# Altium PCB UD3.1.PcbDoc (part 2 of 2)
Units mm, origin at the board's own origin, x right, y up, seen from the top; angles counter-clockwise.
Board outline 100 x 76.2 mm, 4 copper layers (Top Layer, Layer 1, Layer 2, Bottom Layer), stack 0.603 mm thick; 321 components, 189 nets, 880 pads, 378 vias.
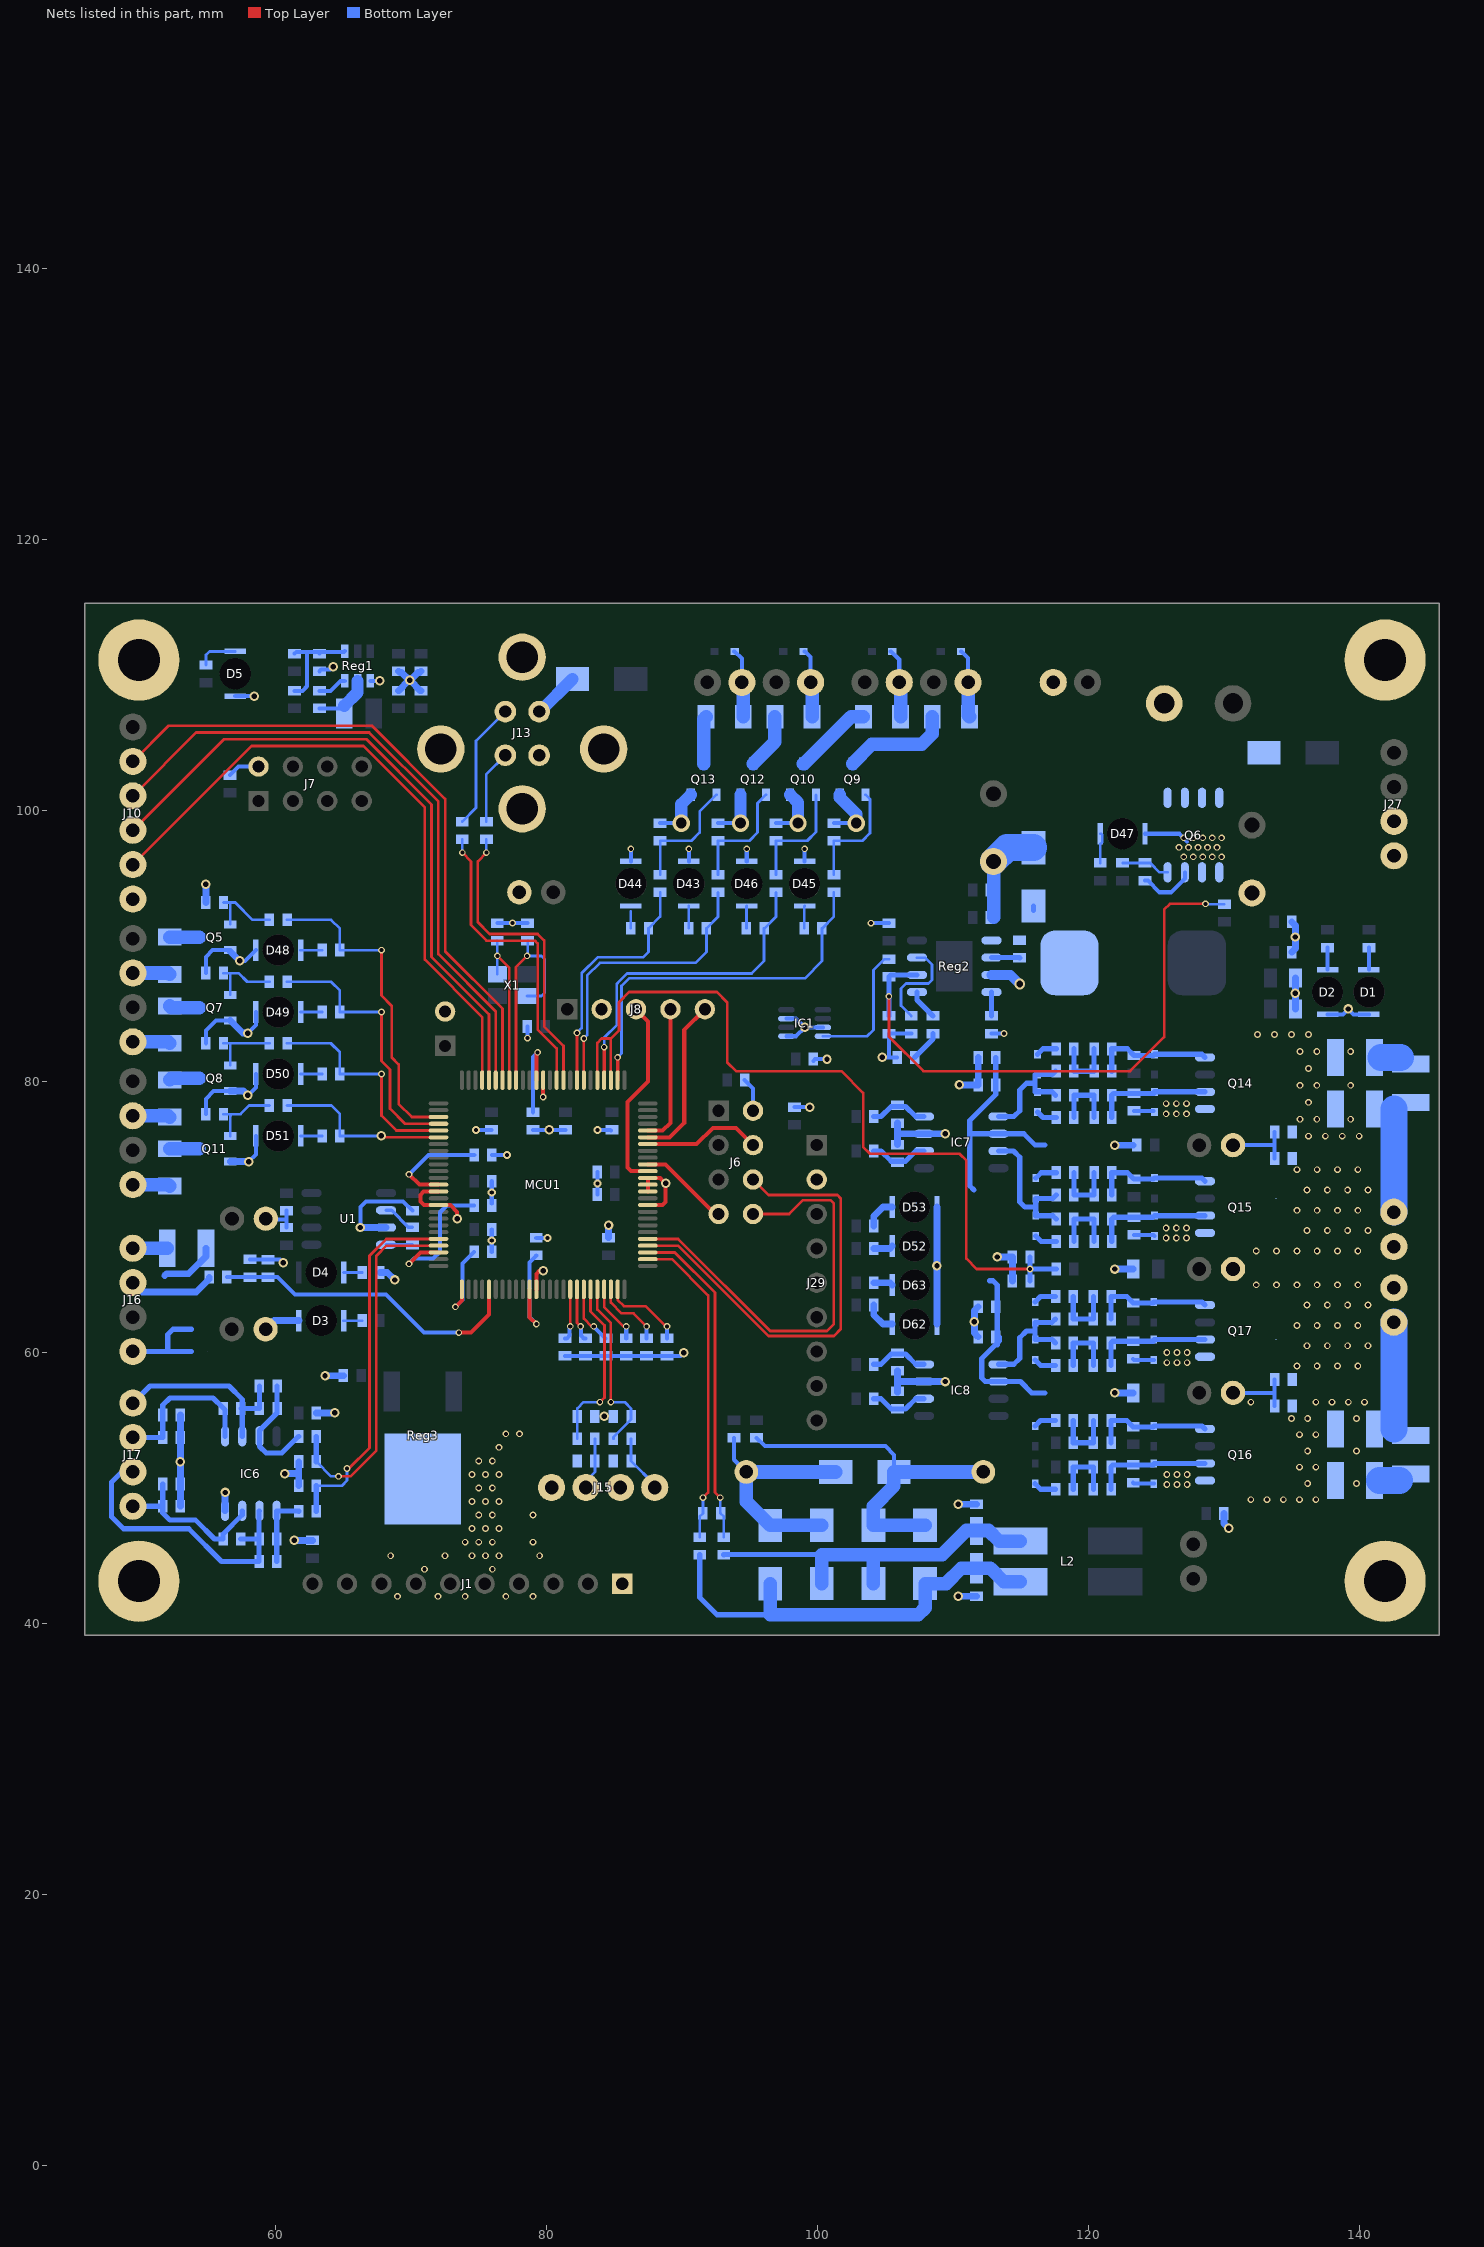
[diagram p4: the nets of this part, all layers, seen from the top]

## Via types
v1: diameter 0.5, hole 0.3, Top Layer to Bottom Layer, tented both sides, 194 vias
v2: diameter 0.5, hole 0.3, Top Layer to Bottom Layer, 70 vias
v3: diameter 0.49, hole 0.3, Top Layer to Bottom Layer, 54 vias
v4: diameter 0.7, hole 0.4, Top Layer to Bottom Layer, 46 vias
v5: diameter 0.6, hole 0.3, Top Layer to Bottom Layer, 7 vias
v6: diameter 1.27, hole 0.8, Top Layer to Bottom Layer, 5 vias
v7: diameter 0.8, hole 0.5, Top Layer to Bottom Layer, 1 vias
v8: diameter 1.27, hole 0.7, Top Layer to Bottom Layer, 1 vias

## Nets (pads, with @x,y where several pads share a name; then routed paths per layer and width w, separated by ;. In a path a pad name is that pad's centre, name@x,y a point inside that pad or via, vN(x,y) a via of type N, cw(c..) or ccw(c..) an arc to the next point about the centre after c; other vN are vias at no path point) (continued)
"GDT1 DRV B": D67.1 D69.2 IC8.5 R167.1 R172.1 | length 9.1
  Bottom Layer w0.381: IC8.5@113.367,59.131 114.503,59.131 114.935,59.563 114.935,61.087 115.443,61.595 116.078,61.595 ; R167.1@117.587,60.706 117.333,60.96 D67.1@116.078,60.96 116.078,61.595 ; R172.1@117.587,62.484 117.333,62.23 D69.2@116.078,62.23 116.078,61.595
"GDT2 DRV A": D56.1 D58.2 IC7.5 R141.1 R146.1 | length 9.1
  Bottom Layer w0.381: IC7.5@113.367,77.419 114.503,77.419 114.935,77.851 114.935,79.375 115.443,79.883 116.078,79.883 ; R141.1@117.587,78.994 117.333,79.248 116.078,79.248 116.078,79.883 ; R146.1@117.587,80.772 117.333,80.518 116.078,80.518 116.078,79.883
"GDT2 DRV B": D57.1 D59.2 IC7.7 R142.1 R147.1 | length 10.9
  Bottom Layer w0.381: IC7.7@113.367,74.879 114.478,74.879 114.935,74.422 114.935,71.12 115.316,70.739 116.126,70.739 ; R142.1@117.635,69.85 117.381,70.104 D57.1@116.126,70.104 116.126,70.739 ; R147.1@117.635,71.628 117.381,71.374 D59.2@116.126,71.374 116.126,70.739
GND: C1.1 C2.2 C3.1 C4.1 C5.1 C6.1 C7.1 C8.1 C9.1 C10.2 C11.1 C12.1 C13.1 C14.1 C15.1 C16.2 C17.1 C18.2 C19.1 C20.2 C21.1 C22.2 C23.1 C24.1 C25.2 C26.2 C27.2 C28.2 C31.1 C32.1 C34.1 C35.1 C36.2 C37.1 C38.1 C40.1 C78.2 C79.2 C82.1 C83.2 C86.1 C87.2 C88.1 C89.1 C90.1 C91.1 C92.1 C93.1 C95.1 C96.1 C98.2 C99.1 C100.1 C101.2 C105.2 C110.1 C111.1 C112.1 C113.1 C114.1 C115.1 C116.1 C117.2 C121.2 C126.1 C127.1 C128.1 C129.1 C130.2 C131.2 C132.2 C133.2 D1.2 D2.2 D3.2 D5.2 D7.2 D32.2 D33.2 D36.2 D43.2 D44.2 D45.2 D46.2 D47.2 D48.2 D49.2 D50.2 D51.2 D52.2 D53.2 D54.2 D55.2 D62.2 D63.2 D64.2 D65.2 IC1.1 IC1.3 IC1.7 IC6.4 IC7.3 IC8.3 J1.1 J2.1 J3.1 J4.1 J5.1 J6.2 J7.2 J8.2 J9.2 J10.1 J13.4 J13.5 J15.2 J15.4 J16.4 J27.3 J27.4 J29.2 MCU1.10 MCU1.12 MCU1.13 MCU1.14 MCU1.38 MCU1.64 MCU1.66 MCU1.87 Q5.2 Q6.1 Q6.2 Q6.3 Q7.2 Q8.2 Q9.2 Q10.2 Q11.2 Q12.2 Q13.2 Q14.1 Q15.1 Q16.1 Q17.1 R1.2 R2.1 R7.1 R11.1 R13.1 R82.1 R84.2 R88.2 R90.1 R96.1 R99.1 R108.1 R111.1 R112.1 R118.1 R122.1 R123.1 R126.1 R133.1 R134.1 R137.1 R138.1 R154.2 R158.1 R159.1 R162.1 R163.1 R179.2 R180.2 R181.2 R182.2 R183.2 R184.2 Reg1.4 Reg2.3 Reg3.2 U1.3 | length 239.3
  Top Layer w0.3: MCU1.64@72.031,71.89 70.937,71.89 70.692,71.644 70.692,71.167 70.969,70.89 MCU1.66@72.031,70.89 72.906,70.89 73.406,70.39 v4(73.406,69.89) ; MCU1.87@79.256,64.665 79.256,65.794 79.502,66.04 v4(79.756,66.04) ; v3(79.756,78.867) MCU1.38@79.756,80.115 ; MCU1.10@87.481,70.89 88.567,70.89 88.797,71.12 v4(88.797,72.492) 88.399,72.89 MCU1.14@87.481,72.89 MCU1.13@87.481,72.39 MCU1.12@87.481,71.89
  Bottom Layer w0.3: R126.1@54.856,77.597 54.856,78.732 55.423,79.299 Q8.2@56.656,79.299 ; R118.1@54.856,82.835 54.856,83.772 55.588,84.505 Q7.2@56.656,84.505 ; R108.1@54.856,88.011 54.856,89.213 55.353,89.71 Q5.2@56.656,89.71 ; C98.2@56.642,102.631 57.271,103.26 J7.2@58.738,103.26 ; D5.2@57.023,108.459 v4(58.419,108.459) ; v4(57.356,88.91) 57.748,88.91 D48.2@58.548,89.71 ; v4(57.948,78.982) 58.548,79.582 D50.2@58.548,80.566 ; v4(57.948,83.585) 58.548,84.185 D49.2@58.548,85.138 ; v4(58.012,74.094) 58.548,74.63 D51.2@58.548,75.994 ; C37.1@58.783,69.89 58.841,69.832 60.818,69.832 ; R1.2@59.441,66.864 59.437,66.868 58.111,66.868 C82.1@58.107,66.872 60.336,66.872 v4(60.579,66.628) ; C38.1@60.818,69.232 60.818,69.832 ; C40.1@60.818,70.472 60.818,69.832 ; R2.1@63.245,110.296 63.372,110.423 64.068,110.423 v4(64.262,110.617) ; v4(66.256,69.232) 66.256,70.739 66.674,71.157 69.419,71.157 C35.1@70.104,70.472 ; Reg1.4@67.006,109.587 v4(67.705,109.587) ; v5(74.788,76.439) C17.1@75.946,76.439 ; C3.1@75.961,67.437 v5(75.961,68.263) C14.1@75.961,69.088 ; C7.1@75.961,70.993 v5(75.961,71.819) C15.1@75.961,72.644 ; C11.1@75.966,74.586 v5(77.094,74.586) ; C16.2@76.37,91.709 v3(77.492,91.709) C18.2@78.613,91.709 ; v3(78.598,83.213) C23.1@78.598,84.074 ; C13.1@78.994,76.439 v4(80.2,76.439) C4.1@81.407,76.439 ; C5.1@79.248,68.468 v5(80.073,68.468) ; R184.2@81.374,59.751 R183.2@82.879,59.751 R182.2@84.384,59.751 R181.2@85.889,59.751 R180.2@87.395,59.751 R179.2@88.9,59.751 89.901,59.751 v4(90.145,59.995) ; v5@83.707,76.39 v5(83.756,76.439) 84.707,76.439 C2.2@84.756,76.39 ; C90.1@83.756,71.666 v5(83.756,72.492) C91.1@83.756,73.317 ; D44.2@86.233,96.265 v3(86.233,97.183) ; R123.1@88.392,99.083 v6(89.953,99.083) ; D43.2@90.509,96.265 v3(90.509,97.183) ; R122.1@92.668,99.083 v6(94.317,99.083) ; C83.2@93.853,53.706 93.853,52.086 R84.2@94.755,51.184 ; C9.1@94.63,80.115 95.25,79.495 J6.2@95.25,77.851 ; D46.2@94.784,96.265 v3(94.784,97.183) ; R112.1@96.943,99.083 v6(98.579,99.083) ; IC1.1@97.71,83.353 98.421,83.353 v4(99.071,84.003) ; IC1.3@97.71,84.653 98.421,84.653 v4(99.071,84.003) ; C6.1@98.298,78.12 v4(99.441,78.12) ; D45.2@99.06,96.265 v3(99.06,97.183) ; C10.2@99.71,81.536 99.835,81.661 v4(100.711,81.661) ; IC1.7@100.41,84.003 v4(99.071,84.003) ; R111.1@101.219,99.083 v6(102.87,99.083) ; v3(103.96,91.698) 103.971,91.709 R13.1@105.283,91.709 ; v4(104.775,81.788) 105.283,81.788 ; C21.1@105.88,81.788 105.283,81.788 ; C24.1@106.934,83.551 C22.2@105.283,83.551 105.283,81.788 ; R11.1@112.86,83.551 v3(113.778,83.551) ; C25.2@112.992,96.252 C25.2@113.035,96.209 ; R159.1@123.317,50.389 123.39,50.316 D64.2@124.841,50.316 ; R158.1@123.317,59.533 123.39,59.46 D65.2@124.841,59.46 ; R133.1@123.365,68.692 124.801,68.692 D55.2@124.889,68.604 ; R134.1@123.365,77.836 D54.2@124.801,77.836 ; D47.2@124.186,98.299 126.727,98.299 127.298,97.728 ; R96.1@124.187,94.842 124.4,94.842 125.262,93.98 126.111,93.98 127.127,94.996 Q6.3@127.127,95.454 ; C28.2@130.683,57.023 133.75,57.023 ; C27.2@130.683,75.311 133.75,75.311 ; C115.1@133.75,56.043 133.75,57.023 ; C116.1@133.75,58.003 133.75,57.023 ; C100.1@133.75,74.331 133.75,75.311 ; C99.1@133.75,76.291 133.75,75.311 ; D2.2@137.668,84.964 138.792,84.964 v4(139.192,85.364) 139.592,84.964 D1.2@140.716,84.964
  Bottom Layer w0.5: R90.1@52.974,48.65 C92.1@52.974,50.292 v4(52.974,51.943) R88.2@52.974,53.73 C87.2@52.974,55.381 ; R99.1@54.856,93.218 v4(54.856,94.574) ; IC6.4@56.273,48.313 v4(56.273,49.669) ; Q11.2@56.656,74.094 v4(58.012,74.094) ; Q8.2@56.656,79.299 57.631,79.299 v4(57.948,78.982) ; Q7.2@56.656,84.505 57.576,83.585 v4(57.948,83.585) ; Q5.2@56.656,89.61 v4(57.356,88.91) ; C36.2@59.261,61.722 59.896,62.357 D3.2@61.723,62.357 ; v4(60.678,51.063) 61.707,51.063 ; v4(61.382,46.131) C8.1@62.738,46.131 ; C93.1@61.707,50.165 61.707,51.063 ; C86.1@61.707,51.943 61.707,51.213 61.667,51.173 61.707,51.173 61.707,51.063 ; C12.1@63.007,55.541 v4(64.363,55.541) ; v4(63.653,58.293) C34.1@65.009,58.293 ; v4(66.256,69.232) U1.3@68.155,69.232 ; R7.1@67.706,65.913 68.246,65.913 v4(68.802,65.357) ; C133.2@69.082,108.854 69.866,109.639 69.955,109.639 70.086,109.77 70.088,109.77 70.514,110.196 70.639,110.196 C19.1@70.739,110.296 ; C131.2@69.082,110.296 69.182,110.196 69.307,110.196 69.71,109.792 69.756,109.792 v4(69.91,109.639) 70.695,108.854 C132.2@70.739,108.854 ; C1.1@84.582,68.468 v4(84.582,69.39) ; R163.1@105.918,57.066 R163.1@105.918,57.137 105.918,57.861 ; R162.1@105.918,58.656 105.918,57.861 ; R138.1@105.918,75.354 105.918,76.149 ; R137.1@105.918,76.944 105.918,76.149 ; D62.2@108.83,62.103 D63.2@108.83,64.982 v4(108.83,66.421) D52.2@108.83,67.86 D53.2@108.83,70.739 ; v4(109.43,57.861) IC8.3@107.867,57.861 105.918,57.861 ; v4(109.43,76.149) IC7.3@107.867,76.149 105.918,76.149 ; v4(110.404,42.01) C78.2@111.76,42.01 ; v4(110.404,48.798) C79.2@111.76,48.798 ; v4(110.49,79.756) C105.2@111.872,79.756 C101.2@111.872,81.788 ; C121.2@111.872,61.159 111.597,61.434 v4(111.597,62.27) 111.597,63.106 C117.2@111.872,63.381 ; v4(113.284,67.056) R154.2@114.397,67.056 C110.1@114.397,65.278 ; v4(121.961,57.023) C127.1@123.317,57.023 ; v4(121.961,66.167) C128.1@123.317,66.167 ; v4(121.961,75.311) C129.1@123.317,75.311 ; C111.1@130.012,48.108 130.012,47.377 v4(130.358,47.031) ; C126.1@135.016,89.55 135.291,89.825 v4(135.291,90.678) 135.291,91.531 C114.1@135.016,91.806 ; C112.1@135.291,85.364 v4(135.291,86.512) C113.1@135.291,87.66
  Bottom Layer w0.73: Reg2.3@112.86,87.884 114.266,87.884 v7(114.935,87.215)
  Bottom Layer w0.9: v6(89.953,99.083) 89.953,100.481 Q13.2@90.656,101.184 ; v6(94.317,99.083) Q12.2@94.317,101.184 ; Q10.2@97.993,101.184 98.579,100.598 v6(98.579,99.083) ; Q9.2@101.654,101.184 101.654,100.982 102.87,99.766 v6(102.87,99.083)
  Bottom Layer w1: J16.4@49.467,67.7 R82.1@52.006,67.7 ; D32.2@100.33,47.244 96.529,47.244 D33.2@96.52,47.235 94.755,49 R84.2@94.755,51.184 94.758,51.181 D36.2@101.355,51.181 ; C32.1@113.035,92.121 C25.2@113.035,96.209
  Bottom Layer w2: C25.2@112.992,96.252 114.013,97.273 D7.2@115.951,97.273
  other v1: 69,42 72,42 74,42 77,42 79,42 71,44 76,44 68.5,45 72.5,45 74.5,45 75.5,45 76.5,45 79.5,45 74,46 75,46 76,46 79,46 74.5,47 75.5,47 76.5,47 75,48 76,48 79,48 74.5,49 75.5,49 76.5,49 75,50 76,50 74.5,51 75.5,51 76.5,51 75,52 76,52 76.5,53 77,54 78,54 127.05,96.6 127.75,96.6 128.45,96.6 129.15,96.6 129.85,96.6 126.7,97.3 127.4,97.3 128.1,97.3 128.8,97.3 129.5,97.3 127.05,98 127.75,98 128.45,98 129.15,98 129.85,98
  other v2: 125.8,50.25 126.55,50.25 127.3,50.25 125.8,51 126.55,51 127.3,51 125.8,59.25 126.55,59.25 127.3,59.25 125.8,60 126.55,60 127.3,60 125.75,68.45 126.5,68.45 127.25,68.45 125.75,69.2 126.5,69.2 127.25,69.2 125.75,77.625 126.5,77.625 127.25,77.625 125.75,78.375 126.5,78.375 127.25,78.375
  other v4: 84.264,55.29
Ibus: C82.2 MCU1.80 R1.1 R83.1 | length 23.5
  Top Layer w0.3: v3(73.533,61.468) 74.422,61.468 75.756,62.802 MCU1.80@75.756,64.665
  Bottom Layer w0.3: R83.1@56.403,65.564 56.411,65.572 C82.2@58.107,65.572 58.111,65.568 59.437,65.568 R1.1@59.441,65.564 60.149,65.564 61.443,64.27 68.144,64.27 70.946,61.468 v3(73.533,61.468)
LED1: MCU1.53 R100.1 R106.1 | length 24.1
  Top Layer w0.2: v3(67.818,89.71) 67.818,86.36 68.58,85.598 68.58,81.788 69.088,81.28 69.088,78.359 70.057,77.39 MCU1.53@72.031,77.39
  Bottom Layer w0.2: R100.1@60.848,91.948 64.108,91.948 64.743,91.313 R106.1@64.743,89.71 v3(67.818,89.71)
LED2: MCU1.54 R109.1 R110.1 | length 20.3
  Top Layer w0.2: v3(67.818,85.138) 67.818,81.534 68.453,80.899 68.453,78.005 69.568,76.89 MCU1.54@72.031,76.89
  Bottom Layer w0.2: R109.1@60.848,87.376 64.108,87.376 64.743,86.741 R110.1@64.743,85.138 v3(67.818,85.138)
LED3: MCU1.55 R119.1 R120.1 | length 16.6
  Top Layer w0.2: v3(67.818,80.566) 67.818,77.485 68.913,76.39 MCU1.55@72.031,76.39
  Bottom Layer w0.2: R119.1@60.848,82.835 64.077,82.835 64.743,82.169 R120.1@64.743,80.566 v3(67.818,80.566)
LED4: MCU1.56 R127.1 R128.1 | length 13.2
  Top Layer w0.2: v4(67.818,75.994) 67.795,75.971 67.795,75.89 MCU1.56@72.031,75.89
  Bottom Layer w0.2: R127.1@60.848,78.232 64.135,78.232 64.743,77.624 R128.1@64.743,75.994 v4(67.818,75.994)
NetC3_2: C3.2 MCU1.76 | length 6.1
  Top Layer w0.3: v3(73.279,63.373) 73.756,63.85 MCU1.76@73.756,64.665
  Bottom Layer w0.3: v3(73.279,63.373) 73.787,63.881 73.787,66.563 C3.2@74.661,67.437
NetC5_2: C5.2 MCU1.86 | length 8.3
  Top Layer w0.3: MCU1.86@78.756,64.665 78.756,62.603 v3(79.256,62.103)
  Bottom Layer w0.3: C5.2@79.248,67.168 78.74,66.66 78.74,62.619 v3(79.256,62.103)
NetC7_2: C7.2 MCU1.73 | length 10.8
  Top Layer w0.3: v3(69.85,66.548) 70.692,67.39 MCU1.73@72.031,67.39
  Bottom Layer w0.3: v3(69.85,66.548) 70.231,66.929 71.628,66.929 72.136,67.437 72.136,70.358 72.644,70.866 C7.2@74.661,70.866
NetC11_2: C11.2 MCU1.63 | length 7.9
  Top Layer w0.3: v3(69.85,73.152) 70.612,72.39 MCU1.63@72.031,72.39
  Bottom Layer w0.3: v3(69.85,73.152) 71.284,74.586 C11.2@74.666,74.586
NetC13_2: C13.2 MCU1.39 | length 6.7
  Top Layer w0.3: MCU1.39@79.256,80.115 79.256,82.069 v3(79.347,82.16)
  Bottom Layer w0.3: C13.2@78.994,77.739 78.994,81.807 v3(79.347,82.16)
NetC21_2: C21.2 R12.1 | length 2.3
  Bottom Layer w0.381: C21.2@107.18,81.788 108.535,83.143 R12.1@108.535,83.551
NetC22_1: C22.1 R10.2 R14.1 Reg2.6 | length 44.5
  Top Layer w0.2: v3(105.283,86.296) 105.283,83.312 107.823,80.772 123.084,80.772 125.603,83.291 125.603,92.698 126.033,93.128 v3(128.651,93.128)
  Bottom Layer w0.2: v3(128.651,93.128) 128.673,93.106 R14.1@130.048,93.106
  Bottom Layer w0.381: C22.1@105.283,84.851 v3(105.283,86.296) R10.2@105.283,87.741 105.426,87.884 Reg2.6@107.36,87.884
NetC24_2: C24.2 Reg2.7 | length 7.3
  Bottom Layer w0.2: C24.2@106.934,84.851 106.172,85.613 106.172,86.868 106.553,87.249 108.204,87.249 108.458,87.503 108.458,88.646 107.95,89.154 Reg2.7@107.36,89.154
NetC33_1: C33.1 D7.1 L1.1 Reg2.1 | length 0.4
  Bottom Layer w0.381: D7.1@115.951,92.623 D7.1@115.951,92.973
NetC33_2: C33.2 Reg2.2 | length 2.1
  Bottom Layer w0.381: Reg2.2@112.86,89.154 114.92,89.154 C33.2@114.935,89.139
NetC39_1: C39.1 U1.2 | length 2.5
  Bottom Layer w0.25: U1.2@68.155,70.502 68.563,70.502 69.803,69.262 C39.1@70.104,69.262
NetC39_2: C39.2 U1.4 | length 1.9
  Bottom Layer w0.25: U1.4@68.155,67.962 C39.2@70.104,67.962
NetC78_1: C78.1 C80.2 D33.1 D35.2 L2.3 R47.2 | length 32.5
  Bottom Layer w0.381: R47.2@91.313,45.07 91.313,41.91 92.583,40.64 96.52,40.64
  Bottom Layer w1: D33.1@96.52,42.935 96.52,40.64 107.442,40.64 107.95,41.148 D35.2@107.95,42.944 109.503,42.944 110.628,44.069 112.776,44.069 113.768,43.077 L2.3@114.991,43.077
NetC79_1: C79.1 C80.1 D32.1 D34.2 L2.4 R48.2 | length 27.3
  Bottom Layer w0.381: R48.2@93.091,45.07 93.106,45.085 100.33,45.085
  Bottom Layer w1: D32.1@100.33,42.944 100.33,45.085 104.14,45.085 ; D34.2@104.14,42.944 104.14,45.085 ; L2.4@114.991,46.077 113.419,46.077 112.633,46.863 110.998,46.863 109.22,45.085 104.14,45.085
NetC84_1: C84.1 C85.1 IC6.6 J17.4 R86.1 | length 14.8
  Bottom Layer w0.381: J17.4@49.467,56.27 50.728,57.531 56.557,57.531 57.543,56.545 C85.1@57.543,55.88 ; C85.1@57.446,55.88 C85.1@57.543,55.88 ; IC6.6@57.543,53.813 C85.1@57.543,55.88 ; R86.1@58.813,57.531 C84.1@58.813,55.88 C85.1@57.543,55.88
NetC84_2: C84.2 IC6.7 R86.2 R87.1 | length 8.6
  Bottom Layer w0.381: R86.2@60.113,57.531 C84.2@60.113,55.88 60.113,55.541 58.813,54.241 IC6.7@58.813,53.813 58.813,53.074 59.309,52.578 60.452,52.578 61.687,53.813 R87.1@61.707,53.813
NetC85_2: C85.2 C87.1 IC6.5 J17.3 R88.1 | length 11.7
  Bottom Layer w0.381: J17.3@49.467,53.73 R88.1@51.674,53.73 C87.1@51.674,55.381 51.674,56.119 52.197,56.642 55.384,56.642 C85.2@56.146,55.88 56.273,55.753 IC6.5@56.273,53.813
NetC88_2: C88.2 J15.3 R89.2 | length 3.9
  Bottom Layer w0.2: J15.3@82.915,50.038 82.915,50.525 83.581,51.191 C88.2@83.581,51.988 R89.2@83.581,53.639
NetC92_2: C92.2 C94.1 IC6.3 J17.1 R90.2 | length 12.3
  Bottom Layer w0.381: J17.1@49.467,48.65 R90.2@51.674,48.65 ; C92.2@51.674,50.292 R90.2@51.674,48.65 ; IC6.3@57.543,48.313 57.543,48.018 56.131,46.606 C94.1@56.131,46.228 55.499,46.228 54.102,47.625 52.197,47.625 51.674,48.148 R90.2@51.674,48.65
NetC94_2: C94.2 C97.1 IC6.2 J17.2 R92.1 | length 21.8
  Bottom Layer w0.381: J17.2@49.467,51.19 48.65,51.19 47.879,50.419 47.879,47.879 48.768,46.99 53.594,46.99 56.007,44.577 R92.1@58.783,44.577 C97.1@58.783,46.228 ; C94.2@57.431,46.228 C97.1@58.783,46.228 ; IC6.2@58.813,48.313 58.783,48.283 C97.1@58.783,46.228
NetC95_2: C95.2 J15.1 R93.2 | length 4.3
  Bottom Layer w0.2: R93.2@86.248,53.639 C95.2@86.248,51.988 87.995,50.241 J15.1@87.995,50.038
NetC97_2: C97.2 IC6.1 R91.1 R92.2 | length 5.4
  Bottom Layer w0.381: R92.2@60.083,44.577 C97.2@60.083,46.228 IC6.1@60.083,48.313 60.098,48.298 61.692,48.298 R91.1@61.707,48.283
NetC99_2: C99.2 C102.1 C107.1 Q14.5/6 Q14.7/8
  other v1: 136.25,75.975 137.5,75.975 138.75,75.975 140,75.975 135.625,77.225 136.875,77.225 139.375,77.225 136.25,78.475 135.625,79.725 136.875,79.725 139.375,79.725 136.25,80.975 135.625,82.225 136.875,82.225 139.375,82.225 132.5,83.475 133.75,83.475 135,83.475 136.25,83.475
NetC100_2: C100.2 J11.2 Q15.5/6 Q15.7/8
  other v1: 132.4,67.5 133.9,67.5 135.4,67.5 136.9,67.5 138.4,67.5 139.9,67.5 136.15,69 137.65,69 139.15,69 140.65,69 135.4,70.5 136.9,70.5 138.4,70.5 139.9,70.5 136.15,72 137.65,72 139.15,72 140.65,72 135.4,73.5 136.9,73.5 138.4,73.5 139.9,73.5
NetC101_1: C101.1 C105.1 IC7.6 Jp12.1 Jp13.1 | length 16.6
  Bottom Layer w0.381: Jp13.1@111.557,72.009 111.252,72.314 111.252,76.149 ; C101.1@113.172,81.788 C105.1@113.172,79.756 113.172,79.06 111.252,77.14 111.252,76.149 ; 116.803,75.311 116.078,75.311 115.24,76.149 IC7.6@113.367,76.149 111.252,76.149
NetC102_2: C102.2 J11.1 R145.2 | length 7.6
  Bottom Layer w2: J11.1@142.558,70.367 R145.2@142.558,77.978
NetC103_1: C103.1 R139.2 R140.1 R141.2 | length 4.8
  Bottom Layer w0.381: R139.2@118.935,77.343 R141.2@118.935,78.994 R140.1@120.429,78.994 C103.1@120.429,77.343
NetC103_2: C103.2 D54.1 Q14.2 R134.2 R140.2 | length 8.6
  Bottom Layer w0.381: C103.2@121.729,77.343 R140.2@121.729,78.994 121.871,79.136 R134.2@123.365,79.136 D54.1@124.847,79.136 ; D54.1@124.889,79.248 Q14.2@128.623,79.248
NetC104_1: C104.1 R135.1 R136.2 R142.2 | length 4.8
  Bottom Layer w0.381: R136.2@118.935,68.199 R142.2@118.935,69.85 C104.1@120.429,69.85 R135.1@120.429,68.199
NetC104_2: C104.2 D55.1 Q15.2 R133.2 R135.2 | length 8.7
  Bottom Layer w0.381: R135.2@121.729,68.199 C104.2@121.729,69.85 121.871,69.992 R133.2@123.365,69.992 124.777,69.992 D55.1@124.889,70.104 Q15.2@128.623,70.104
NetC107_2: C107.2 R145.1 | length 1.4
  Bottom Layer w2: C107.2@141.615,81.788 R145.1@143.03,81.788
NetC108_1: C108.1 R146.2 R148.2 R149.1 | length 4.8
  Bottom Layer w0.381: R148.2@118.935,82.423 R146.2@118.935,80.772 R149.1@120.429,80.772 C108.1@120.429,82.423
NetC108_2: C108.2 D60.2 Q14.4 R149.2 R153.1 | length 8.9
  Bottom Layer w0.381: R149.2@121.729,80.772 C108.2@121.729,82.423 122.872,82.423 R153.1@123.365,81.93 124.801,81.93 D60.2@124.889,82.018 128.393,82.018 Q14.4@128.623,81.788
NetC109_1: C109.1 R147.2 R150.1 R151.2 | length 4.8
  Bottom Layer w0.381: R151.2@118.935,73.279 R147.2@118.935,71.628 C109.1@120.429,71.628 R150.1@120.429,73.279
NetC109_2: C109.2 D61.2 Q15.4 R150.2 R152.1 | length 8.9
  Bottom Layer w0.381: C109.2@121.729,71.628 R150.2@121.729,73.279 122.887,73.279 R152.1@123.365,72.801 124.804,72.801 D61.2@124.889,72.886 128.381,72.886 Q15.4@128.623,72.644
NetC115_2: C115.2 C118.1 C123.1 Q16.5/6 Q16.7/8
  other v1: 132,49.135 133.2,49.135 134.4,49.135 135.6,49.135 136.8,49.135 136.2,50.335 139.8,50.335 135.6,51.535 136.8,51.535 136.2,52.735 139.8,52.735 135.6,53.935 136.8,53.935 135,55.135 136.2,55.135 139.8,55.135 132,56.335 136.8,56.335 138,56.335 139.2,56.335 140.4,56.335
NetC116_2: C116.2 J12.1 Q17.5/6 Q17.7/8
  other v1: 135.4,59 136.9,59 138.4,59 139.9,59 136.15,60.5 137.65,60.5 139.15,60.5 140.65,60.5 135.4,62 136.9,62 138.4,62 139.9,62 136.15,63.5 137.65,63.5 139.15,63.5 140.65,63.5 132.4,65 133.9,65 135.4,65 136.9,65 138.4,65 139.9,65
NetC117_1: C117.1 C121.1 IC8.6 Jp14.1 Jp15.1 | length 13.8
  Bottom Layer w0.381: Jp15.1@112.725,65.304 112.962,65.304 113.284,64.982 113.284,60.579 ; C121.1@113.447,61.159 113.447,60.869 112.141,59.563 112.141,58.115 112.395,57.861 IC8.6@113.367,57.861 114.986,57.861 115.824,57.023 Jp14.1@116.803,57.023
NetC118_2: C118.2 J12.2 R170.2 | length 7.9
  Bottom Layer w2: R170.2@142.558,54.356 J12.2@142.558,62.239
NetC119_1: C119.1 R164.2 R165.1 R166.2 | length 4.8
  Bottom Layer w0.381: R164.2@118.887,49.911 R166.2@118.887,51.562 R165.1@120.381,51.562 C119.1@120.381,49.911
NetC119_2: C119.2 D64.1 Q16.2 R159.2 R165.2 | length 12.4
  Bottom Layer w0.381: C119.2@121.681,49.911 R165.2@121.681,51.562 121.808,51.689 123.317,51.689 D64.1@124.799,51.689 ; D64.1@124.841,51.816 Q16.2@128.623,51.816 D64.1@124.841,51.816
NetC120_1: C120.1 R160.1 R161.2 R167.2 | length 4.8
  Bottom Layer w0.381: R161.2@118.887,59.055 R167.2@118.887,60.706 C120.1@120.381,60.706 R160.1@120.381,59.055
NetC120_2: C120.2 D65.1 Q17.2 R158.2 R160.2 | length 8.6
  Bottom Layer w0.381: R160.2@121.681,59.055 C120.2@121.681,60.706 121.808,60.833 R158.2@123.317,60.833 D65.1@124.799,60.833 ; D65.1@124.841,60.96 Q17.2@128.623,60.96
NetC123_2: C123.2 R170.1 | length 1.5
  Bottom Layer w2: C123.2@141.51,50.546 R170.1@142.98,50.546